# Altium PCB MAIN_BOARD_V3.PcbDoc (part 1 of 4) (continued)
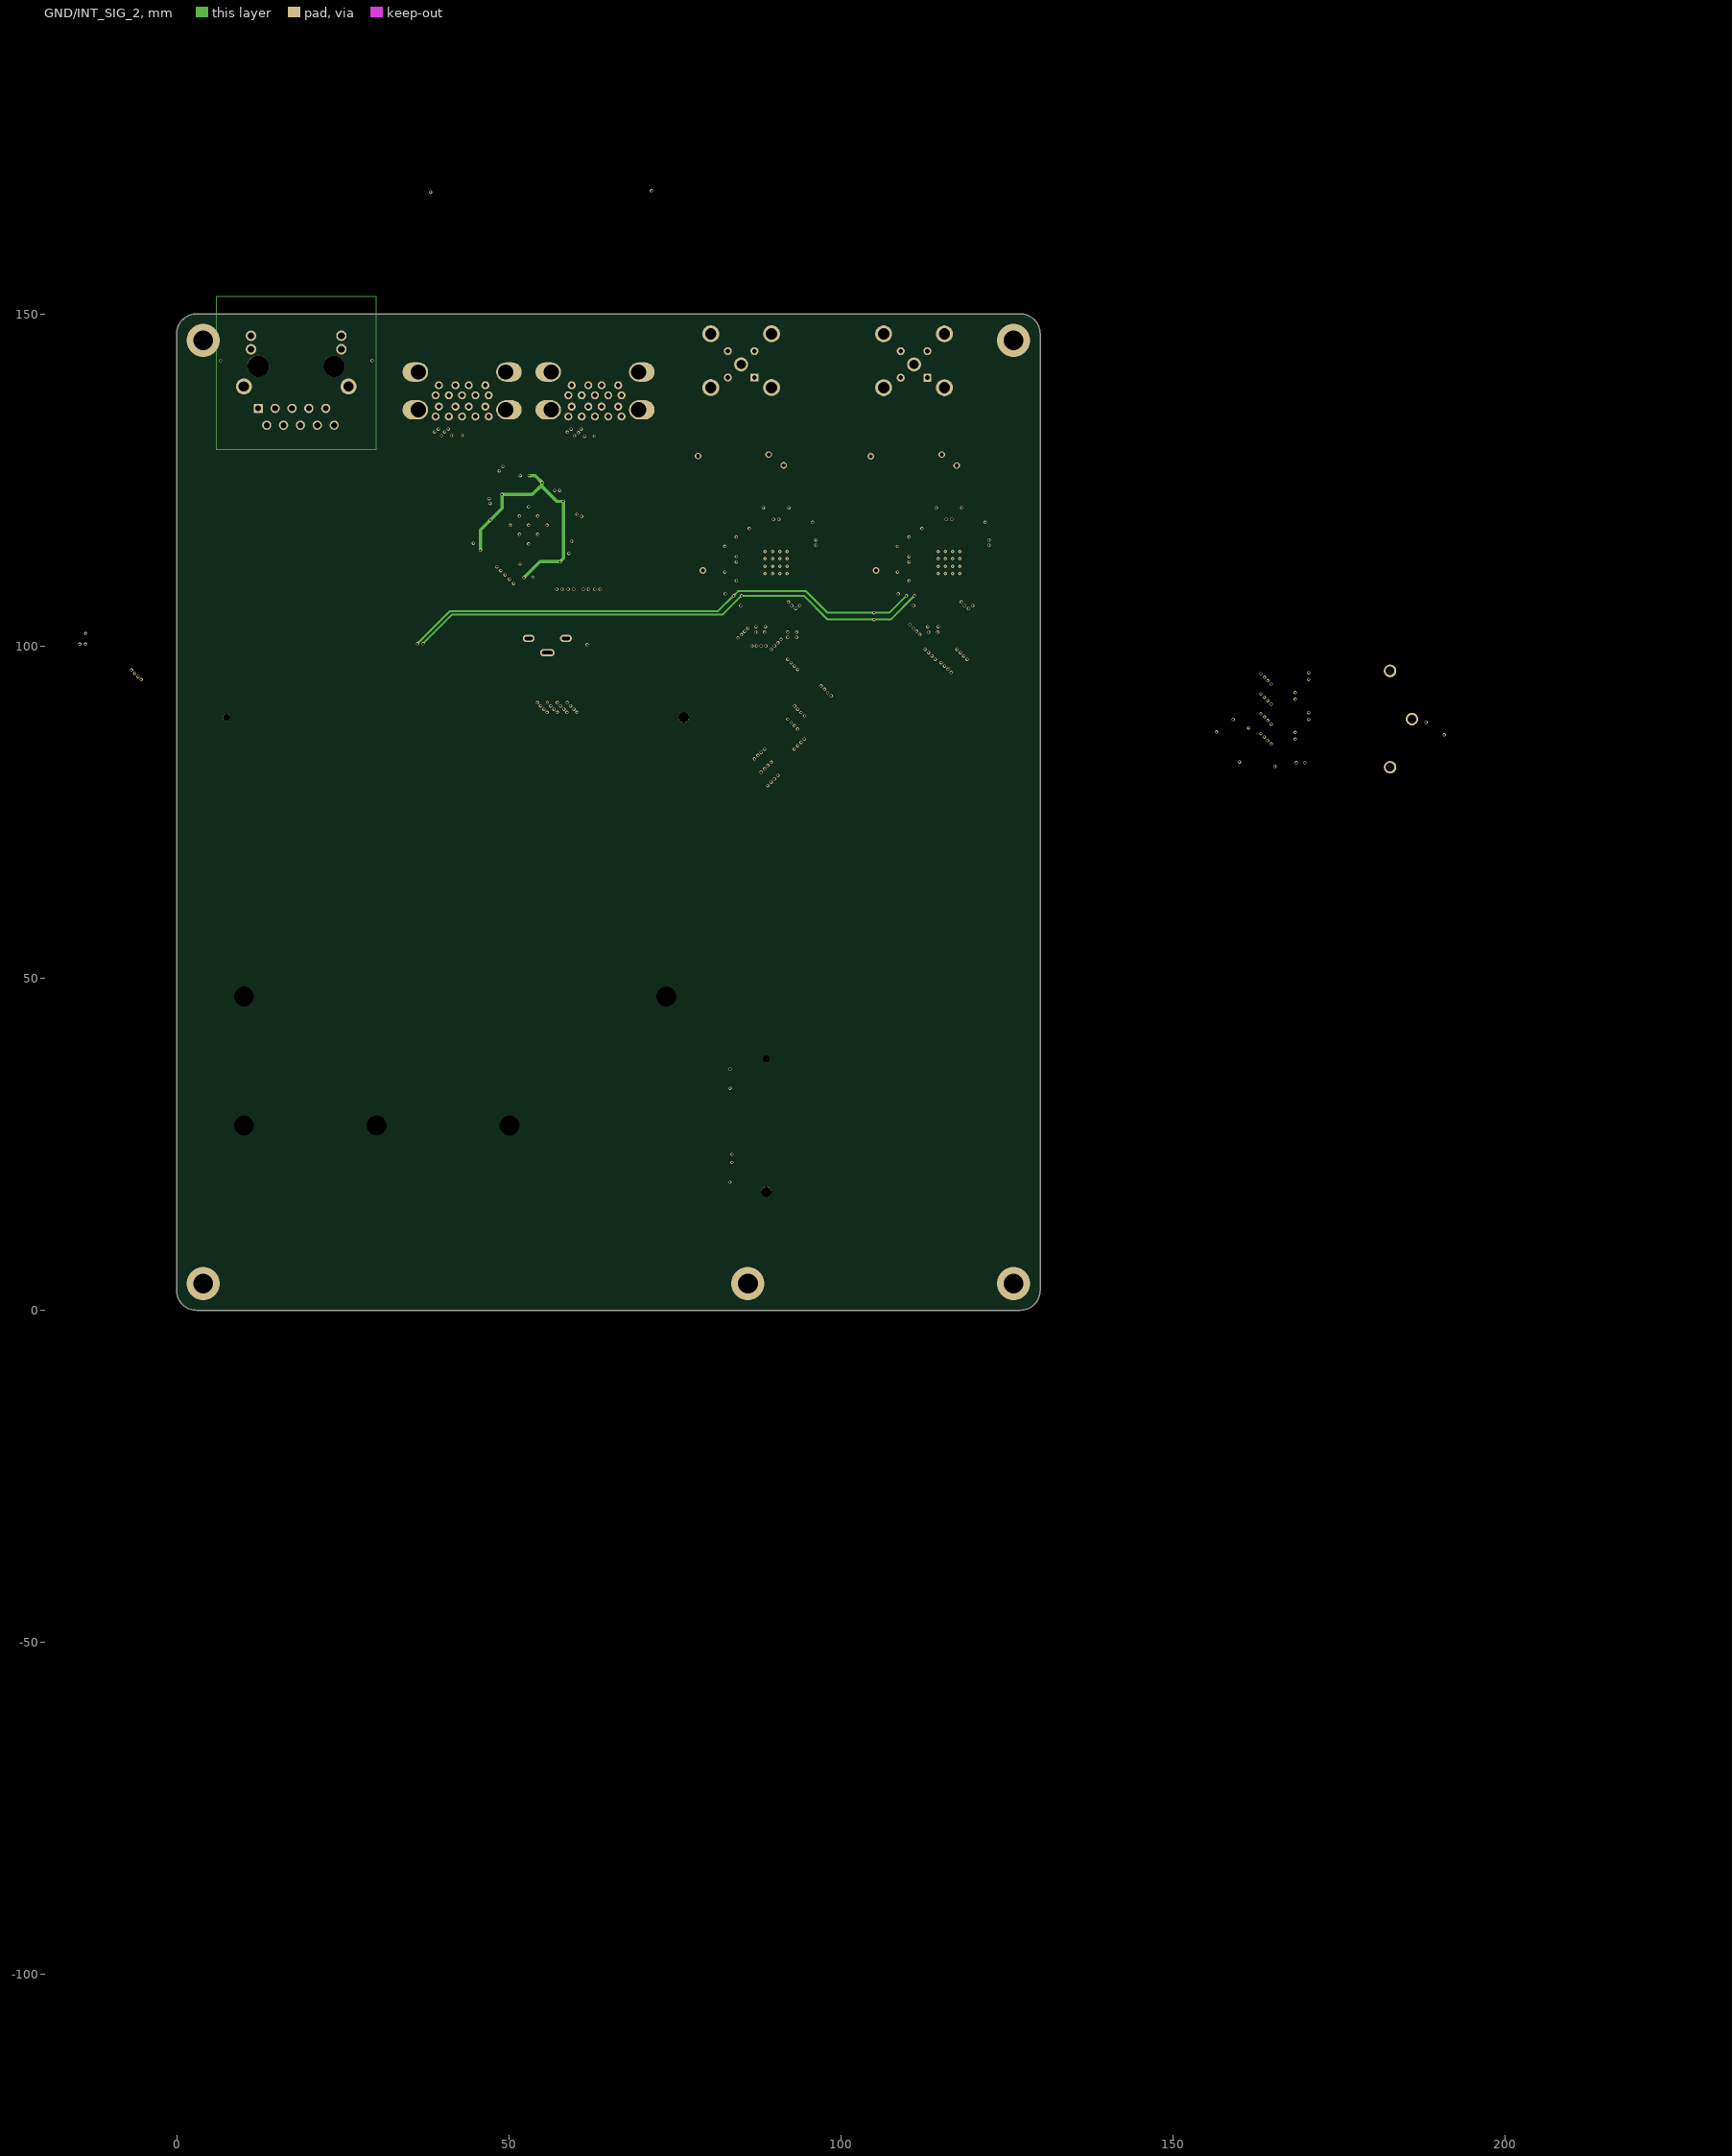
[diagram p3: GND/INT_SIG_2]

## Layer stack, top to bottom
Top Solder: solder mask 0.0127, Solder Resist, Dk 3.8
TOP: signal copper 0.035
Dielectric 1: prepreg 0.2104, 7628, Dk 4.6
GND/INT_SIG_1: signal copper 0.0152
Core: core 1.065, FR-4, Dk 4.5
GND/INT_SIG_2: signal copper 0.0152
Dielectric 2: prepreg 0.2104, 7628, Dk 4.6
BOTTOM: signal copper 0.035
Bottom Solder: solder mask 0.0127, Solder Resist, Dk 3.8

## Board outline
0,3 0,147 cw(c3,147) 3,150 127,150 cw(c127,147) 130,147 130,3 cw(c127,3) 127,0 3,0 cw(c3,3)

## Design rules (kind name [scope] priority, off if disabled: settings)
BoardOutlineClearance [All] p1: gap=0.2 ignorepadtopadclearanceinfootprint=FALSE
Clearance [All] p1: gap=0.102 ignorepadtopadclearanceinfootprint=FALSE except(0.127: Arc-Via Track-Via SMDPad-Via THPad-Via Via-Via Via-Fill Via-Poly Via-Region Via-Text; 0.25: Arc-Hole Track-Hole SMDPad-Hole THPad-Hole Via-Hole Fill-Hole Poly-Hole Region-Hole Text-Hole)
ComponentClearance [All] p1: gap=0.102 collisioncheckmode=3 verticalgap=0.102 showdistances=TRUE
DiffPairsRouting 85DIFF [InNetClass('85DIFF')] p1: maxlimit=0.127 minlimit=0.127 mostfreqgap=0.127 toplayer_minwidth=0.266 toplayer_maxwidth=0.266 toplayer_prefwidth=0.266 midlayer1_minwidth=0.179 midlayer1_maxwidth=0.179 midlayer1_prefwidth=0.179 midlayer2_minwidth=0.179 midlayer2_maxwidth=0.179 midlayer2_prefwidth=0.179 bottomlayer_minwidth=0.266 bottomlayer_maxwidth=0.266 bottomlayer_prefwidth=0.266 impedanceprofiledriven=TRUE impedanceprofileid={9323039E-E3EA-47E1-B6AE-9AB69F7DFD99} impedanceprofilevalue=85.000000 maxuncoupledlength=12.7
DiffPairsRouting 100DIFF [InNetClass('100DIFF')] p2: maxlimit=0.2 minlimit=0.105 mostfreqgap=0.15 toplayer_mingap=0.127 toplayer_maxgap=0.127 toplayer_prefgap=0.127 toplayer_minwidth=0.168 toplayer_maxwidth=0.168 toplayer_prefwidth=0.168 midlayer1_minwidth=0.102 midlayer1_maxwidth=0.25 midlayer1_prefwidth=0.124 midlayer2_minwidth=0.102 midlayer2_maxwidth=0.25 midlayer2_prefwidth=0.124 bottomlayer_mingap=0.127 bottomlayer_maxgap=0.127 bottomlayer_prefgap=0.127 bottomlayer_minwidth=0.168 bottomlayer_maxwidth=0.168 bottomlayer_prefwidth=0.168 impedanceprofiledriven=TRUE impedanceprofileid={E7860221-B5C3-4583-AD41-4442689590D0} impedanceprofilevalue=100.000000 maxuncoupledlength=12.7
DiffPairsRouting [All] p3: maxlimit=0.102 minlimit=0.102 mostfreqgap=0.102 toplayer_minwidth=0.102 toplayer_maxwidth=1816.048 toplayer_prefwidth=0.102 midlayer1_minwidth=0.102 midlayer1_maxwidth=1816.048 midlayer1_prefwidth=0.102 midlayer2_minwidth=0.102 midlayer2_maxwidth=1816.048 midlayer2_prefwidth=0.102 bottomlayer_minwidth=0.102 bottomlayer_maxwidth=1816.048 bottomlayer_prefwidth=0.102 maxuncoupledlength=12.7
Height [All] p1: minheight=0 maxheight=1816.048 prefheight=12.7
HoleSize [All] p1: absolutevalues=TRUE maxlimit=6.3 minlimit=0.2 maxpercent=80.000 minpercent=20.000
HoleToHoleClearance [All] p1: gap=0.25 allowstackedmicrovias=FALSE
MinimumAnnularRing [All] p1: minimumring=0.076
MinimumSolderMaskSliver [All] p1: minsoldermaskwidth=0
PlaneClearance [All] p1: clearance=0.102
PlaneConnect PlaneConnectPowerPads [InPadClass('PowerPads')] p1: planeconnectstyle=Direct reliefexpansion=0.508 reliefentries=4 reliefconductorwidth=0.254 reliefairgap=0.254
PlaneConnect [All] p2: pad.planeconnectstyle=Relief pad.reliefexpansion=0.3 pad.reliefentries=4 pad.reliefconductorwidth=0.102 pad.reliefairgap=0.102 via.planeconnectstyle=Direct via.reliefexpansion=0.3 via.reliefentries=4 via.reliefconductorwidth=0.127 via.reliefairgap=0.127
PolygonConnect PolygonConnectPowerPads [All vs (InPadClass('PowerPads'))] p1: connectstyle=Direct reliefconductorwidth=0.254 reliefentries=4 polygonreliefangle="90 Angle" airgapwidth=0.254
PolygonConnect [All] p2: thpad.connectstyle=Relief thpad.reliefconductorwidth=0.102 thpad.reliefentries=4 thpad.polygonreliefangle="90 Angle" thpad.airgapwidth=0.102 smdpad.connectstyle=Relief smdpad.reliefconductorwidth=0.102 smdpad.reliefentries=4 smdpad.polygonreliefangle="90 Angle" smdpad.airgapwidth=0.102 via.connectstyle=Direct via.reliefconductorwidth=0.127 via.reliefentries=4 via.polygonreliefangle="90 Angle" via.airgapwidth=0.127
RoomDefinition HDMI_0 [InComponentClass('HDMI_0')] p1: confinementstyle=ConfineIn formatcopy=TRUE lockcomponents=FALSE outline 155,72 193,72 193,99 155,99
RoomDefinition NVME [InComponentClass('NVME')] p2: confinementstyle=ConfineIn formatcopy=TRUE lockcomponents=FALSE outline 102.6,41.642 5.6,41.642 5.6,13.642 102.6,13.642
RoomDefinition USB3_0 [InComponentClass('USB3_0')] p3: confinementstyle=ConfineIn formatcopy=TRUE lockcomponents=FALSE outline 32.475,104.727 74.8,104.727 74.8,153.252 32.475,153.252
RoomDefinition JETSON [InComponentClass('JETSON')] p4: confinementstyle=ConfineIn formatcopy=TRUE lockcomponents=FALSE outline 83.7,97.6 2.625,97.6 2.625,40 83.7,40
RoomDefinition CAMIF_2 [InComponentClass('CAMIF_2')] p5: confinementstyle=ConfineIn formatcopy=TRUE lockcomponents=FALSE outline 98.695,100.8 98.695,160.75 75.87,160.75 75.87,100.8
RoomDefinition ETH0 [InComponentClass('ETH0')] p6: confinementstyle=ConfineIn formatcopy=TRUE lockcomponents=FALSE outline 32.125,153.642 4,153.642 4,127.467 32.125,127.467
RoomDefinition CAMIF_1 [InComponentClass('CAMIF_1')] p7: confinementstyle=ConfineIn formatcopy=TRUE lockcomponents=FALSE outline 124.719,100.792 124.719,160.742 101.894,160.742 101.894,100.792
RoutingVias [All] p1: holewidth=0.2 width=0.45 viastyle="Through Hole" minholewidth=0.2 minwidth=0.45 maxholewidth=6.3 maxwidth=6.55
SilkToSilkClearance [All] p1: silktosilkclearance=0
SilkToSolderMaskClearance [IsPad] p1: minsilkscreentomaskgap=0.102 clearancetoexposedcopper=TRUE
SolderMaskExpansion [All] p1: expansion=0.075 istentingtop=FALSE
Width 50SINGLE [InNetClass('50SINGLE')] p1: maxlimit=0.355 minlimit=0.264 preferedwidth=0.355 toplayer_minwidth=0.355 midlayer1_maxwidth=0.264 midlayer1_prefwidth=0.264 midlayer2_maxwidth=0.264 midlayer2_prefwidth=0.264 bottomlayer_minwidth=0.355 impedanceprofiledriven=TRUE impedanceprofileid={2D939B68-F3D0-41AB-BB89-7665F18745CE} impedanceprofilevalue=50.000000 minimp=50.000000 maximp=50.000000 favimp=50.000000
Width [All] p2: maxlimit=1816.048 minlimit=0.102 preferedwidth=0.15
20 further rules are at their usual default settings.

## Classes and differential pairs
differential pair class 90DIFF: USB0_D USB0_RX USB0_TX USB1_D USB1_RX USB1_TX USB2_RX USB2_TX USB2UP USB3_RX USB3_TX USB3UP_RX USB3UP_TX USBH0_D USBH1_D USBH2_D USBH3_D USBSS0_RX USBSS0_TX
differential pair class 85DIFF: PCIE0_CLK PCIE0_RX0 PCIE0_RX1 PCIE0_RX2 PCIE0_RX3 PCIE0_TX0 PCIE0_TX1 PCIE0_TX2 PCIE0_TX3 PCIE_RX0 PCIE_RX1 PCIE_RX2 PCIE_RX3 PRE_CLK PRE_TX0 PRE_TX1 PRE_TX2 PRE_TX3
net class 425SINGLE: PCIE0_CLK_N PCIE0_CLK_P PCIE0_RX0_N PCIE0_RX0_P PCIE0_RX1_N PCIE0_RX1_P PCIE0_RX2_N PCIE0_RX2_P PCIE0_RX3_N PCIE0_RX3_P PCIE0_TX0_N PCIE0_TX0_P PCIE0_TX1_N PCIE0_TX1_P PCIE0_TX2_N PCIE0_TX2_P PCIE0_TX3_N PCIE0_TX3_P PCIE_RX0_N PCIE_RX0_P PCIE_RX1_N PCIE_RX1_P PCIE_RX2_N PCIE_RX2_P PCIE_RX3_N PCIE_RX3_P PRE_CLK_N PRE_CLK_P PRE_TX0_N PRE_TX0_P PRE_TX1_N PRE_TX1_P PRE_TX2_N PRE_TX2_P PRE_TX3_N PRE_TX3_P
differential pair class 100DIFF: CK_CAMIF_1 CK_CAMIF_2 CKA_CAMIF_1 CKA_CAMIF_2 CKC_CAMIF_1 CKC_CAMIF_2 CSI0_CLK CSI0_D0 CSI0_D1 CSI1_D0 CSI1_D1 CSI2_CLK CSI2_D0 CSI2_D1 CSI3_D0 CSI3_D1 DA0_CAMIF_1 DA0_CAMIF_2 DA1_CAMIF_1 DA1_CAMIF_2 DA2_CAMIF_1 DA2_CAMIF_2 DA3_CAMIF_1 DA3_CAMIF_2 DP1_AUX DP1_TXD0 DP1_TXD1 DP1_TXD2 DP1_TXD3 GBE_MDI0 GBE_MDI1 GBE_MDI2 GBE_MDI3 HDMI_CLK HDMI_D0 HDMI_D1 HDMI_D2 PRE_CSI0_D1 PRE_CSI1_D0 SIOA_CAMIF_1 SIOA_CAMIF_2 SIOB_CAMIF_1 SIOB_CAMIF_2 SIOC_CAMIF_1 SIOC_CAMIF_2 SIOD_CAMIF_1 SIOD_CAMIF_2
net class 50SINGLE: CK_CAMIF_1_N CK_CAMIF_1_P CK_CAMIF_2_N CK_CAMIF_2_P CKA_CAMIF_1_N CKA_CAMIF_1_P CKA_CAMIF_2_N CKA_CAMIF_2_P CKC_CAMIF_1_N CKC_CAMIF_1_P CKC_CAMIF_2_N CKC_CAMIF_2_P CSI0_CLK_N CSI0_CLK_P CSI0_D0_N CSI0_D0_P CSI0_D1_N CSI0_D1_P CSI1_D0_N CSI1_D0_P CSI1_D1_N CSI1_D1_P CSI2_CLK_N CSI2_CLK_P CSI2_D0_N CSI2_D0_P CSI2_D1_N CSI2_D1_P CSI3_D0_N CSI3_D0_P CSI3_D1_N CSI3_D1_P DA0_CAMIF_1_N DA0_CAMIF_1_P DA0_CAMIF_2_N DA0_CAMIF_2_P DA1_CAMIF_1_N DA1_CAMIF_1_P DA1_CAMIF_2_N DA1_CAMIF_2_P DA2_CAMIF_1_N DA2_CAMIF_1_P DA2_CAMIF_2_N DA2_CAMIF_2_P DA3_CAMIF_1_N DA3_CAMIF_1_P DA3_CAMIF_2_N DA3_CAMIF_2_P DP1_AUX_N DP1_AUX_P DP1_TXD0_N DP1_TXD0_P DP1_TXD1_N DP1_TXD1_P DP1_TXD2_N DP1_TXD2_P DP1_TXD3_N DP1_TXD3_P GBE_MDI0_N GBE_MDI0_P GBE_MDI1_N GBE_MDI1_P GBE_MDI2_N GBE_MDI2_P GBE_MDI3_N GBE_MDI3_P HDMI_CLK_N HDMI_CLK_P HDMI_D0_N HDMI_D0_P HDMI_D1_N HDMI_D1_P HDMI_D2_N HDMI_D2_P PLDWN_1 PLDWN_2 PLDWN_3 PLDWN_4 PLDWN_5 PLDWN_6 PLDWN_7 PLDWN_8 PoC_A_CAMIF_1 PoC_A_CAMIF_2 PoC_B_CAMIF_1 PoC_B_CAMIF_2 PoC_C_CAMIF_1 PoC_C_CAMIF_2 PoC_D_CAMIF_1 PoC_D_CAMIF_2 PRE_CSI0_D1_N PRE_CSI0_D1_P PRE_CSI1_D0_N PRE_CSI1_D0_P SIOA_CAMIF_1_N SIOA_CAMIF_1_P SIOA_CAMIF_2_N SIOA_CAMIF_2_P SIOB_CAMIF_1_N SIOB_CAMIF_1_P SIOB_CAMIF_2_N SIOB_CAMIF_2_P SIOC_CAMIF_1_N SIOC_CAMIF_1_P SIOC_CAMIF_2_N SIOC_CAMIF_2_P SIOD_CAMIF_1_N SIOD_CAMIF_1_P SIOD_CAMIF_2_N SIOD_CAMIF_2_P
net class 45SINGLE: NetC39_2 NetC74_2 USB0_D_N USB0_D_P USB0_RX_N USB0_RX_P USB0_TX_N USB0_TX_P USB1_D_N USB1_D_P USB1_RX_N USB1_RX_P USB1_TX_N USB1_TX_P USB2_RX_N USB2_RX_P USB2_TX_N USB2_TX_P USB2UP_N USB2UP_P USB3_RX_N USB3_RX_P USB3_TX_N USB3_TX_P USB3UP_RX_N USB3UP_RX_P USB3UP_TX_N USB3UP_TX_P USBH0_D_N USBH0_D_P USBH1_D_N USBH1_D_P USBH2_D_N USBH2_D_P USBH3_D_N USBH3_D_P USBSS0_RX_N USBSS0_RX_P USBSS0_TX_N USBSS0_TX_P VBUS_2
component class MAIN_BOARD: TP8 TP9
channel class CAMERA_INTERFACE: CAMIF_1 CAMIF_2
component class REC_USB: C118 C119 J12
component class USB3_0: C39 C44 C45 C46 C47 C48 C49 C50 C51 C52 C53 C54 C55 C56 C57 C58 C59 C60 C61 C62 C63 C64 C65 C66 C67 C68 C69 C70 C71 C72 C73 C74 C77 C78 D24 D25 D26 D27 D28 D29 J3 J4 R30 R31 R32 R33 R34 R35 R36 R37 R38 R39 R40 R41 R42 R43 R44 R45 R46 R47 R48 R49 R50 R51 R52 TP1 TP2 TP3 TP4 U4 U5 U6 U7 Y2
component class NVME: C98 C99 C100 C101 C102 C103 C104 C105 C106 C107 C108 C109 C110 C111 C112 C113 C114 C115 C116 C117 D36 J7 MP1 MP4 MP5 R25 R97 R98 R99 R100 R101 R102 R103 R104 R105 R106 R107 R108 R109 R112 R113 R114 TP5 TP6 TP7 Y3
component class JETSON: D1 D2 D3 D4 D5 D6 D7 D8 D9 D10 D11 D12 D13 D14 D15 D16 D17 D18 D19 D20 D21 J1 MP2 MP3 Q6 R1 R2 R3 R4 R22 R23
component class HDMI_0: C37 C38 C82 C83 C84 C85 C86 C87 C88 C89 C90 C91 C92 C93 C94 C95 C96 C97 D30 D31 D32 D33 FB1 FB2 FB3 FB4 FB5 FB6 FB7 FB8 J6 Q1 Q2 Q3 Q4 Q5 R28 R53 R54 R55 R65 R66 R67 R68 R69 R70 R71 R72 R73 R74 R75 R76 R77 R78 R79 R80 R81 R82 R83 R84 R85 R86 R87 R88 R89 R90 R91 R92 R93 R95 R96 U8 U9 U11
component class ETH0: C79 C80 C81 C125 J5 R57 R58 R59 R60 R61 R62 R63 R64 R111
component class CAMIF_2: C1_CAMIF_2 C2_CAMIF_2 C3_CAMIF_2 C4_CAMIF_2 C5_CAMIF_2 C6_CAMIF_2 C7_CAMIF_2 C8_CAMIF_2 C9_CAMIF_2 C10_CAMIF_2 C11_CAMIF_2 C12_CAMIF_2 C13_CAMIF_2 C14_CAMIF_2 C15_CAMIF_2 C16_CAMIF_2 C17_CAMIF_2 C18_CAMIF_2 C19_CAMIF_2 C20_CAMIF_2 C21_CAMIF_2 C22_CAMIF_2 C23_CAMIF_2 C24_CAMIF_2 C25_CAMIF_2 C26_CAMIF_2 C27_CAMIF_2 C28_CAMIF_2 C29_CAMIF_2 C30_CAMIF_2 C31_CAMIF_2 C32_CAMIF_2 C33_CAMIF_2 C34_CAMIF_2 C35_CAMIF_2 C36_CAMIF_2 C40_CAMIF_2 C41_CAMIF_2 C42_CAMIF_2 C43_CAMIF_2 C121_CAMIF_2 C122_CAMIF_2 C123_CAMIF_2 C124_CAMIF_2 D22_CAMIF_2 D23_CAMIF_2 D34_CAMIF_2 D35_CAMIF_2 J2_CAMIF_2 L2_CAMIF_2 L3_CAMIF_2 L4_CAMIF_2 L5_CAMIF_2 L6_CAMIF_2 L7_CAMIF_2 L8_CAMIF_2 L9_CAMIF_2 R5_CAMIF_2 R6_CAMIF_2 R7_CAMIF_2 R8_CAMIF_2 R9_CAMIF_2 R10_CAMIF_2 R11_CAMIF_2 R12_CAMIF_2 R13_CAMIF_2 R14_CAMIF_2 R15_CAMIF_2 R16_CAMIF_2 R17_CAMIF_2 R18_CAMIF_2 R19_CAMIF_2 R20_CAMIF_2 R21_CAMIF_2 R24_CAMIF_2 R26_CAMIF_2 R27_CAMIF_2 R29_CAMIF_2 U1_CAMIF_2 U2_CAMIF_2 U3_CAMIF_2 Y1_CAMIF_2
component class CAMIF_1: C1_CAMIF_1 C2_CAMIF_1 C3_CAMIF_1 C4_CAMIF_1 C5_CAMIF_1 C6_CAMIF_1 C7_CAMIF_1 C8_CAMIF_1 C9_CAMIF_1 C10_CAMIF_1 C11_CAMIF_1 C12_CAMIF_1 C13_CAMIF_1 C14_CAMIF_1 C15_CAMIF_1 C16_CAMIF_1 C17_CAMIF_1 C18_CAMIF_1 C19_CAMIF_1 C20_CAMIF_1 C21_CAMIF_1 C22_CAMIF_1 C23_CAMIF_1 C24_CAMIF_1 C25_CAMIF_1 C26_CAMIF_1 C27_CAMIF_1 C28_CAMIF_1 C29_CAMIF_1 C30_CAMIF_1 C31_CAMIF_1 C32_CAMIF_1 C33_CAMIF_1 C34_CAMIF_1 C35_CAMIF_1 C36_CAMIF_1 C40_CAMIF_1 C41_CAMIF_1 C42_CAMIF_1 C43_CAMIF_1 C121_CAMIF_1 C122_CAMIF_1 C123_CAMIF_1 C124_CAMIF_1 D22_CAMIF_1 D23_CAMIF_1 D34_CAMIF_1 D35_CAMIF_1 J2_CAMIF_1 L2_CAMIF_1 L3_CAMIF_1 L4_CAMIF_1 L5_CAMIF_1 L6_CAMIF_1 L7_CAMIF_1 L8_CAMIF_1 L9_CAMIF_1 R5_CAMIF_1 R6_CAMIF_1 R7_CAMIF_1 R8_CAMIF_1 R9_CAMIF_1 R10_CAMIF_1 R11_CAMIF_1 R12_CAMIF_1 R13_CAMIF_1 R14_CAMIF_1 R15_CAMIF_1 R16_CAMIF_1 R17_CAMIF_1 R18_CAMIF_1 R19_CAMIF_1 R20_CAMIF_1 R21_CAMIF_1 R24_CAMIF_1 R26_CAMIF_1 R27_CAMIF_1 R29_CAMIF_1 U1_CAMIF_1 U2_CAMIF_1 U3_CAMIF_1 Y1_CAMIF_1
differential pair DP1_TXD3: +DP1_TXD3_P -DP1_TXD3_N
differential pair DP1_TXD2: +DP1_TXD2_P -DP1_TXD2_N
differential pair DP1_TXD1: +DP1_TXD1_P -DP1_TXD1_N
differential pair DP1_TXD0: +DP1_TXD0_P -DP1_TXD0_N
differential pair DP1_AUX: +DP1_AUX_P -DP1_AUX_N
differential pair PRE_CSI1_D0: +PRE_CSI1_D0_P -PRE_CSI1_D0_N
differential pair CSI1_D0: +CSI1_D0_P -CSI1_D0_N
differential pair CSI0_D1: +CSI0_D1_P -CSI0_D1_N
differential pair GBE_MDI3: +GBE_MDI3_P -GBE_MDI3_N
differential pair GBE_MDI2: +GBE_MDI2_P -GBE_MDI2_N
differential pair GBE_MDI1: +GBE_MDI1_P -GBE_MDI1_N
differential pair GBE_MDI0: +GBE_MDI0_P -GBE_MDI0_N
differential pair USB1_D: +USB1_D_P -USB1_D_N
differential pair USB0_D: +USB0_D_P -USB0_D_N
differential pair USBSS0_TX: +USBSS0_TX_P -USBSS0_TX_N
differential pair USBSS0_RX: +USBSS0_RX_P -USBSS0_RX_N
differential pair PCIE0_RX3: +PCIE0_RX3_P -PCIE0_RX3_N
differential pair PCIE0_RX2: +PCIE0_RX2_P -PCIE0_RX2_N
differential pair PCIE0_RX1: +PCIE0_RX1_P -PCIE0_RX1_N
differential pair PCIE0_RX0: +PCIE0_RX0_P -PCIE0_RX0_N
differential pair PRE_CSI0_D1: +PRE_CSI0_D1_P -PRE_CSI0_D1_N
differential pair USBH3_D: +USBH3_D_P -USBH3_D_N
differential pair USBH2_D: +USBH2_D_P -USBH2_D_N
differential pair USBH1_D: +USBH1_D_P -USBH1_D_N
differential pair USBH0_D: +USBH0_D_P -USBH0_D_N
differential pair HDMI_D2: +HDMI_D2_P -HDMI_D2_N
differential pair HDMI_D1: +HDMI_D1_P -HDMI_D1_N
differential pair HDMI_D0: +HDMI_D0_P -HDMI_D0_N
differential pair HDMI_CLK: +HDMI_CLK_P -HDMI_CLK_N
differential pair PCIE_RX3: +PCIE_RX3_P -PCIE_RX3_N
differential pair PCIE_RX2: +PCIE_RX2_P -PCIE_RX2_N
differential pair PCIE_RX1: +PCIE_RX1_P -PCIE_RX1_N
differential pair PCIE_RX0: +PCIE_RX0_P -PCIE_RX0_N
differential pair CKC_CAMIF_2: +CKC_CAMIF_2_P -CKC_CAMIF_2_N
differential pair CKC_CAMIF_1: +CKC_CAMIF_1_P -CKC_CAMIF_1_N
differential pair CKA_CAMIF_2: +CKA_CAMIF_2_P -CKA_CAMIF_2_N
differential pair CKA_CAMIF_1: +CKA_CAMIF_1_P -CKA_CAMIF_1_N
differential pair X25: +X25_P -X25_N
differential pair USB2UP: +USB2UP_P -USB2UP_N
differential pair PCIE0_TX3: +PCIE0_TX3_P -PCIE0_TX3_N
differential pair PCIE0_TX2: +PCIE0_TX2_P -PCIE0_TX2_N
differential pair PCIE0_TX1: +PCIE0_TX1_P -PCIE0_TX1_N
differential pair PCIE0_TX0: +PCIE0_TX0_P -PCIE0_TX0_N
differential pair PCIE0_CLK: +PCIE0_CLK_P -PCIE0_CLK_N
differential pair CK_CAMIF_2: +CK_CAMIF_2_P -CK_CAMIF_2_N
differential pair CK_CAMIF_1: +CK_CAMIF_1_P -CK_CAMIF_1_N
differential pair X25_CAMIF_2: +X25_CAMIF_2_P -X25_CAMIF_2_N
differential pair X25_CAMIF_1: +X25_CAMIF_1_P -X25_CAMIF_1_N
differential pair USB3UP_TX: +USB3UP_TX_P -USB3UP_TX_N
differential pair USB3UP_RX: +USB3UP_RX_P -USB3UP_RX_N
differential pair USB3_TX: +USB3_TX_P -USB3_TX_N
differential pair USB3_RX: +USB3_RX_P -USB3_RX_N
differential pair USB2_TX: +USB2_TX_P -USB2_TX_N
differential pair USB2_RX: +USB2_RX_P -USB2_RX_N
differential pair USB1_TX: +USB1_TX_P -USB1_TX_N
differential pair USB1_RX: +USB1_RX_P -USB1_RX_N
differential pair USB0_TX: +USB0_TX_P -USB0_TX_N
differential pair USB0_RX: +USB0_RX_P -USB0_RX_N
differential pair SIOD_CAMIF_2: +SIOD_CAMIF_2_P -SIOD_CAMIF_2_N
differential pair SIOD_CAMIF_1: +SIOD_CAMIF_1_P -SIOD_CAMIF_1_N
differential pair SIOC_CAMIF_2: +SIOC_CAMIF_2_P -SIOC_CAMIF_2_N
differential pair SIOC_CAMIF_1: +SIOC_CAMIF_1_P -SIOC_CAMIF_1_N
differential pair SIOB_CAMIF_2: +SIOB_CAMIF_2_P -SIOB_CAMIF_2_N
differential pair SIOB_CAMIF_1: +SIOB_CAMIF_1_P -SIOB_CAMIF_1_N
differential pair SIOA_CAMIF_2: +SIOA_CAMIF_2_P -SIOA_CAMIF_2_N
differential pair SIOA_CAMIF_1: +SIOA_CAMIF_1_P -SIOA_CAMIF_1_N
differential pair PRE_TX3: +PRE_TX3_P -PRE_TX3_N
differential pair PRE_TX2: +PRE_TX2_P -PRE_TX2_N
differential pair PRE_TX1: +PRE_TX1_P -PRE_TX1_N
differential pair PRE_TX0: +PRE_TX0_P -PRE_TX0_N
differential pair PRE_CLK: +PRE_CLK_P -PRE_CLK_N
differential pair DA3_CAMIF_2: +DA3_CAMIF_2_P -DA3_CAMIF_2_N
differential pair DA3_CAMIF_1: +DA3_CAMIF_1_P -DA3_CAMIF_1_N
differential pair DA2_CAMIF_2: +DA2_CAMIF_2_P -DA2_CAMIF_2_N
differential pair DA2_CAMIF_1: +DA2_CAMIF_1_P -DA2_CAMIF_1_N
differential pair DA1_CAMIF_2: +DA1_CAMIF_2_P -DA1_CAMIF_2_N
differential pair DA1_CAMIF_1: +DA1_CAMIF_1_P -DA1_CAMIF_1_N
differential pair DA0_CAMIF_2: +DA0_CAMIF_2_P -DA0_CAMIF_2_N
differential pair DA0_CAMIF_1: +DA0_CAMIF_1_P -DA0_CAMIF_1_N
differential pair CSI3_D1: +CSI3_D1_P -CSI3_D1_N
differential pair CSI3_D0: +CSI3_D0_P -CSI3_D0_N
differential pair CSI2_D1: +CSI2_D1_P -CSI2_D1_N
differential pair CSI2_D0: +CSI2_D0_P -CSI2_D0_N
differential pair CSI2_CLK: +CSI2_CLK_P -CSI2_CLK_N
differential pair CSI1_D1: +CSI1_D1_P -CSI1_D1_N
differential pair CSI0_D0: +CSI0_D0_P -CSI0_D0_N
differential pair CSI0_CLK: +CSI0_CLK_P -CSI0_CLK_N

## Components (designator, comment, footprint, x,y, rotation, side; value= is the part's Value field where it differs from the comment)
C1_CAMIF_1 "C1005X7R1H104K050BB" FP-C1005-050-0_05-IPC_C 110.894,104.689 r90 top (schematic designator C1)
C1_CAMIF_2 "C1005X7R1H104K050BB" FP-C1005-050-0_05-IPC_C 84.87,104.697 r90 top (schematic designator C1)
C2_CAMIF_1 "C1005X7R1H104K050BB" FP-C1005-050-0_05-IPC_C 112.244,104.689 r90 top (schematic designator C2)
C2_CAMIF_2 "C1005X7R1H104K050BB" FP-C1005-050-0_05-IPC_C 86.22,104.697 r90 top (schematic designator C2)
C3_CAMIF_1 "C1005X7R1H104K050BB" FP-C1005-050-0_05-IPC_C 115.594,104.714 r90 top (schematic designator C3)
C3_CAMIF_2 "C1005X7R1H104K050BB" FP-C1005-050-0_05-IPC_C 89.57,104.722 r90 top (schematic designator C3)
C4_CAMIF_1 "C1005X7R1H104K050BB" FP-C1005-050-0_05-IPC_C 116.944,104.714 r90 top (schematic designator C4)
C4_CAMIF_2 "C1005X7R1H104K050BB" FP-C1005-050-0_05-IPC_C 90.92,104.722 r90 top (schematic designator C4)
C5_CAMIF_1 "C1005X7R1H104K050BB" FP-C1005-050-0_05-IPC_C 117.994,102.695 r90 top (schematic designator C5)
C5_CAMIF_2 "C1005X7R1H104K050BB" FP-C1005-050-0_05-IPC_C 91.97,102.703 r90 top (schematic designator C5)
C6_CAMIF_1 "C1005X7R1H104K050BB" FP-C1005-050-0_05-IPC_C 119.344,102.695 r90 top (schematic designator C6)
C6_CAMIF_2 "C1005X7R1H104K050BB" FP-C1005-050-0_05-IPC_C 93.32,102.703 r90 top (schematic designator C6)
C7_CAMIF_1 "C1005X7R1H104K050BB" FP-C1005-050-0_05-IPC_C 108.927,109.792 r180 top (schematic designator C7)
C7_CAMIF_2 "C1005X7R1H104K050BB" FP-C1005-050-0_05-IPC_C 82.903,109.8 r180 top (schematic designator C7)
C8_CAMIF_1 "C1005X7R1H104K050BB" FP-C1005-050-0_05-IPC_C 108.877,116.342 r180 top (schematic designator C8)
C8_CAMIF_2 "C1005X7R1H104K050BB" FP-C1005-050-0_05-IPC_C 82.853,116.35 r180 top (schematic designator C8)
C9_CAMIF_1 "C1005X7R1H104K050BB" FP-C1005-050-0_05-IPC_C 120.294,104.689 r90 top (schematic designator C9)
C9_CAMIF_2 "C1005X7R1H104K050BB" FP-C1005-050-0_05-IPC_C 94.27,104.697 r90 top (schematic designator C9)
C10_CAMIF_1 "C1005X7R1H104K050BB" FP-C1005-050-0_05-IPC_C 121.644,104.689 r90 top (schematic designator C10)
C10_CAMIF_2 "C1005X7R1H104K050BB" FP-C1005-050-0_05-IPC_C 95.62,104.697 r90 top (schematic designator C10)
C11_CAMIF_1 "C1005X7R1H104K050BB" FP-C1005-050-0_05-IPC_C 113.194,101.704 r90 top (schematic designator C11)
C11_CAMIF_2 "C1005X7R1H104K050BB" FP-C1005-050-0_05-IPC_C 87.17,101.712 r90 top (schematic designator C11)
C12_CAMIF_1 "C1005X7R1H104K050BB" FP-C1005-050-0_05-IPC_C 108.902,111.142 r180 top (schematic designator C12)
C12_CAMIF_2 "C1005X7R1H104K050BB" FP-C1005-050-0_05-IPC_C 82.878,111.15 r180 top (schematic designator C12)
C13_CAMIF_1 "C1005X7R1H104K050BB" FP-C1005-050-0_05-IPC_C 108.902,114.992 r180 top (schematic designator C13)
C13_CAMIF_2 "C1005X7R1H104K050BB" FP-C1005-050-0_05-IPC_C 82.878,115 r180 top (schematic designator C13)
C14_CAMIF_1 "C1005X7R1H104K050BB" FP-C1005-050-0_05-IPC_C 114.544,101.695 r90 top (schematic designator C14)
C14_CAMIF_2 "C1005X7R1H104K050BB" FP-C1005-050-0_05-IPC_C 88.52,101.703 r90 top (schematic designator C14)
C15_CAMIF_1 "C1005X7R1H104K050BB" FP-C1005-050-0_05-IPC_C 113.008,120.439 r90 top (schematic designator C15)
C15_CAMIF_2 "C1005X7R1H104K050BB" FP-C1005-050-0_05-IPC_C 86.983,120.447 r90 top (schematic designator C15)
C16_CAMIF_1 "C1005X7R1H104K050BB" FP-C1005-050-0_05-IPC_C 119.544,120.439 r90 top (schematic designator C16)
C16_CAMIF_2 "C1005X7R1H104K050BB" FP-C1005-050-0_05-IPC_C 93.52,120.447 r90 top (schematic designator C16)
C17_CAMIF_1 "C1005X7R1H104K050BB" FP-C1005-050-0_05-IPC_C 114.351,120.439 r90 top (schematic designator C17)